# Altium PCB Magnetic-Sequencer.PcbDoc (part 3 of 3)
Units mm, origin at the board's own origin, x right, y up, seen from the top; angles counter-clockwise.
Board outline 395 x 395 mm, 2 copper layers (Top Layer, Bottom Layer), stack 1.569 mm thick; 301 components, 112 nets, 1084 pads, 626 vias.
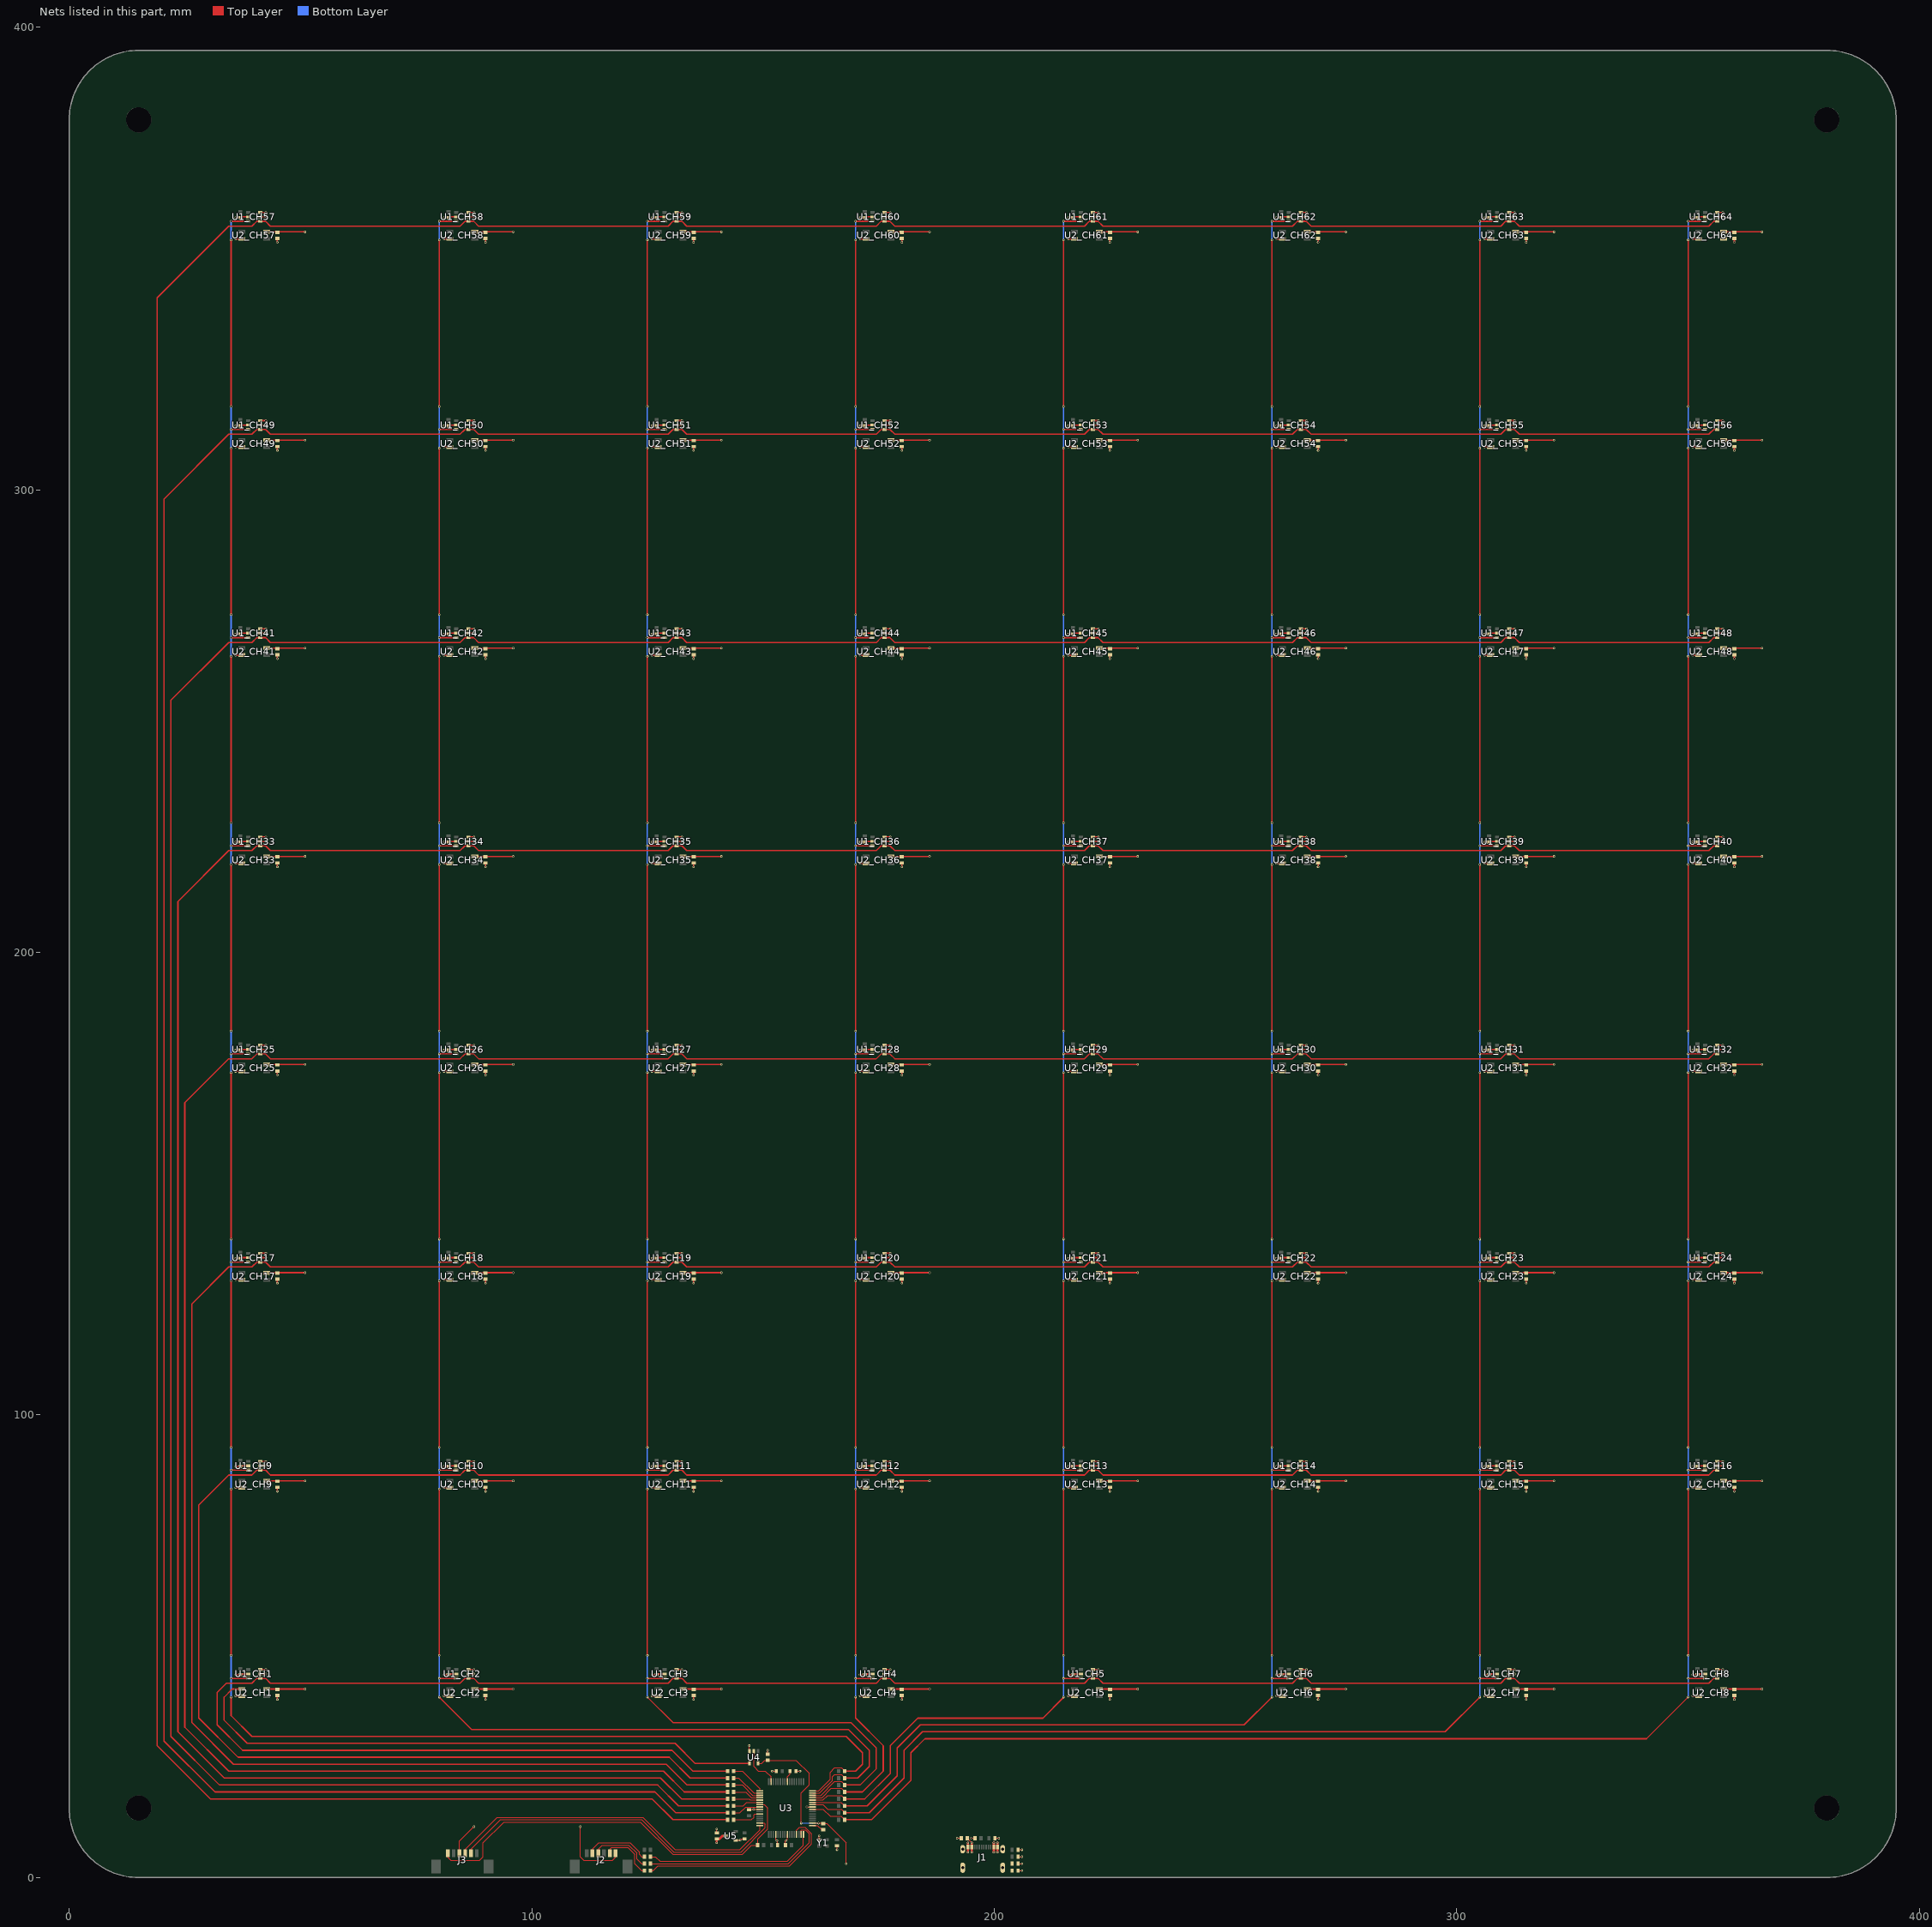
[diagram p3: the nets of this part, all layers, seen from the top]

## Via types
v1: diameter 0.5, hole 0.3, Top Layer to Bottom Layer, tented both sides, 626 vias

## Nets (pads, with @x,y where several pads share a name; then routed paths per layer and width w, separated by ;. In a path a pad name is that pad's centre, name@x,y a point inside that pad or via, vN(x,y) a via of type N, cw(c..) or ccw(c..) an arc to the next point about the centre after c; other vN are vias at no path point) (continued)
GND: "J1.A1 B12" "J1.B1 A12" C1_CH1.1 C1_CH2.1 C1_CH3.1 C1_CH4.1 C1_CH5.1 C1_CH6.1 C1_CH7.1 C1_CH8.1 C1_CH9.1 C1_CH10.1 C1_CH11.1 C1_CH12.1 C1_CH13.1 C1_CH14.1 C1_CH15.1 C1_CH16.1 C1_CH17.1 C1_CH18.1 C1_CH19.1 C1_CH20.1 C1_CH21.1 C1_CH22.1 C1_CH23.1 C1_CH24.1 C1_CH25.1 C1_CH26.1 C1_CH27.1 C1_CH28.1 C1_CH29.1 C1_CH30.1 C1_CH31.1 C1_CH32.1 C1_CH33.1 C1_CH34.1 C1_CH35.1 C1_CH36.1 C1_CH37.1 C1_CH38.1 C1_CH39.1 C1_CH40.1 C1_CH41.1 C1_CH42.1 C1_CH43.1 C1_CH44.1 C1_CH45.1 C1_CH46.1 C1_CH47.1 C1_CH48.1 C1_CH49.1 C1_CH50.1 C1_CH51.1 C1_CH52.1 C1_CH53.1 C1_CH54.1 C1_CH55.1 C1_CH56.1 C1_CH57.1 C1_CH58.1 C1_CH59.1 C1_CH60.1 C1_CH61.1 C1_CH62.1 C1_CH63.1 C1_CH64.1 C2_CH1.1 C2_CH2.1 C2_CH3.1 C2_CH4.1 C2_CH5.1 C2_CH6.1 C2_CH7.1 C2_CH8.1 C2_CH9.1 C2_CH10.1 C2_CH11.1 C2_CH12.1 C2_CH13.1 C2_CH14.1 C2_CH15.1 C2_CH16.1 C2_CH17.1 C2_CH18.1 C2_CH19.1 C2_CH20.1 C2_CH21.1 C2_CH22.1 C2_CH23.1 C2_CH24.1 C2_CH25.1 C2_CH26.1 C2_CH27.1 C2_CH28.1 C2_CH29.1 C2_CH30.1 C2_CH31.1 C2_CH32.1 C2_CH33.1 C2_CH34.1 C2_CH35.1 C2_CH36.1 C2_CH37.1 C2_CH38.1 C2_CH39.1 C2_CH40.1 C2_CH41.1 C2_CH42.1 C2_CH43.1 C2_CH44.1 C2_CH45.1 C2_CH46.1 C2_CH47.1 C2_CH48.1 C2_CH49.1 C2_CH50.1 C2_CH51.1 C2_CH52.1 C2_CH53.1 C2_CH54.1 C2_CH55.1 C2_CH56.1 C2_CH57.1 C2_CH58.1 C2_CH59.1 C2_CH60.1 C2_CH61.1 C2_CH62.1 C2_CH63.1 C2_CH64.1 C3.2 C4.1 C5.1 C6.1 C7.1 C8.2 C9.1 C10.1 C11.1 C12.1 D1.2 D2.2 D3.2 J2.6 J3.3 R19.1 R20.1 R21.2 U1_CH1.2 U1_CH1.3 U1_CH1.5 U1_CH2.2 U1_CH2.3 U1_CH2.5 U1_CH3.2 U1_CH3.3 U1_CH3.5 U1_CH4.2 U1_CH4.3 U1_CH4.5 U1_CH5.2 U1_CH5.3 U1_CH5.5 U1_CH6.2 U1_CH6.3 U1_CH6.5 U1_CH7.2 U1_CH7.3 U1_CH7.5 U1_CH8.2 U1_CH8.3 U1_CH8.5 U1_CH9.2 U1_CH9.3 U1_CH9.5 U1_CH10.2 U1_CH10.3 U1_CH10.5 U1_CH11.2 U1_CH11.3 U1_CH11.5 U1_CH12.2 U1_CH12.3 U1_CH12.5 U1_CH13.2 U1_CH13.3 U1_CH13.5 U1_CH14.2 U1_CH14.3 U1_CH14.5 U1_CH15.2 U1_CH15.3 U1_CH15.5 U1_CH16.2 U1_CH16.3 U1_CH16.5 U1_CH17.2 U1_CH17.3 U1_CH17.5 U1_CH18.2 U1_CH18.3 U1_CH18.5 U1_CH19.2 U1_CH19.3 U1_CH19.5 U1_CH20.2 U1_CH20.3 U1_CH20.5 U1_CH21.2 U1_CH21.3 U1_CH21.5 U1_CH22.2 U1_CH22.3 U1_CH22.5 U1_CH23.2 U1_CH23.3 U1_CH23.5 U1_CH24.2 U1_CH24.3 U1_CH24.5 U1_CH25.2 U1_CH25.3 U1_CH25.5 U1_CH26.2 U1_CH26.3 U1_CH26.5 U1_CH27.2 U1_CH27.3 U1_CH27.5 U1_CH28.2 U1_CH28.3 U1_CH28.5 U1_CH29.2 U1_CH29.3 U1_CH29.5 U1_CH30.2 U1_CH30.3 U1_CH30.5 U1_CH31.2 U1_CH31.3 U1_CH31.5 U1_CH32.2 U1_CH32.3 U1_CH32.5 U1_CH33.2 U1_CH33.3 U1_CH33.5 U1_CH34.2 U1_CH34.3 U1_CH34.5 U1_CH35.2 U1_CH35.3 U1_CH35.5 U1_CH36.2 U1_CH36.3 U1_CH36.5 U1_CH37.2 U1_CH37.3 U1_CH37.5 U1_CH38.2 U1_CH38.3 U1_CH38.5 U1_CH39.2 U1_CH39.3 U1_CH39.5 U1_CH40.2 U1_CH40.3 U1_CH40.5 U1_CH41.2 U1_CH41.3 U1_CH41.5 U1_CH42.2 U1_CH42.3 U1_CH42.5 U1_CH43.2 U1_CH43.3 U1_CH43.5 U1_CH44.2 U1_CH44.3 U1_CH44.5 U1_CH45.2 U1_CH45.3 U1_CH45.5 U1_CH46.2 U1_CH46.3 U1_CH46.5 U1_CH47.2 U1_CH47.3 U1_CH47.5 U1_CH48.2 U1_CH48.3 U1_CH48.5 U1_CH49.2 U1_CH49.3 U1_CH49.5 U1_CH50.2 U1_CH50.3 U1_CH50.5 U1_CH51.2 U1_CH51.3 U1_CH51.5 U1_CH52.2 U1_CH52.3 U1_CH52.5 U1_CH53.2 U1_CH53.3 U1_CH53.5 U1_CH54.2 U1_CH54.3 U1_CH54.5 U1_CH55.2 U1_CH55.3 U1_CH55.5 U1_CH56.2 U1_CH56.3 U1_CH56.5 U1_CH57.2 U1_CH57.3 U1_CH57.5 U1_CH58.2 U1_CH58.3 U1_CH58.5 U1_CH59.2 U1_CH59.3 U1_CH59.5 U1_CH60.2 U1_CH60.3 U1_CH60.5 U1_CH61.2 U1_CH61.3 U1_CH61.5 U1_CH62.2 U1_CH62.3 U1_CH62.5 U1_CH63.2 U1_CH63.3 U1_CH63.5 U1_CH64.2 U1_CH64.3 U1_CH64.5 U2_CH1.3 U2_CH2.3 U2_CH3.3 U2_CH4.3 U2_CH5.3 U2_CH6.3 U2_CH7.3 U2_CH8.3 U2_CH9.3 U2_CH10.3 U2_CH11.3 U2_CH12.3 U2_CH13.3 U2_CH14.3 U2_CH15.3 U2_CH16.3 U2_CH17.3 U2_CH18.3 U2_CH19.3 U2_CH20.3 U2_CH21.3 U2_CH22.3 U2_CH23.3 U2_CH24.3 U2_CH25.3 U2_CH26.3 U2_CH27.3 U2_CH28.3 U2_CH29.3 U2_CH30.3 U2_CH31.3 U2_CH32.3 U2_CH33.3 U2_CH34.3 U2_CH35.3 U2_CH36.3 U2_CH37.3 U2_CH38.3 U2_CH39.3 U2_CH40.3 U2_CH41.3 U2_CH42.3 U2_CH43.3 U2_CH44.3 U2_CH45.3 U2_CH46.3 U2_CH47.3 U2_CH48.3 U2_CH49.3 U2_CH50.3 U2_CH51.3 U2_CH52.3 U2_CH53.3 U2_CH54.3 U2_CH55.3 U2_CH56.3 U2_CH57.3 U2_CH58.3 U2_CH59.3 U2_CH60.3 U2_CH61.3 U2_CH62.3 U2_CH63.3 U2_CH64.3 U3.9 U3.20 U3.25 U3.41 U4.3 U5.1 Y1.2 | length 517.5
  Top Layer w0.15: J3.3@84.5,5.379 J3.3@84.375,5.254 84.375,7.875 v1(87.5,11) ; v1(110.5,11) 110.5,4.5 111.25,3.75 117.5,3.75 118.125,4.375 J2.6@118.125,5.254 ; C12.1@140,9.65 v1(140,10.5) ; U5.1@144.1,8.05 v1(145.05,8.05) 145.35,8.35 C11.1@146,8.35 ; C3.2@147,14.65 147.1,14.75 U3.9@149.3,14.75 ; U4.3@147.05,27.3 v1(147.05,28.5) ; C9.1@151,26.65 v1(151,27.5) ; v1(152,23) C5.1@152.85,23 ; U3.20@152.75,9.3 152.75,8.25 v1(153,8) 153.15,7.85 C6.1@153.15,7 ; C8.2@154.85,7 154.85,7.85 155.25,8.25 U3.25@155.25,9.3 ; C4.1@157.15,23 v1(158,23) ; v1(159.5,15.25) U3.41@160.7,15.25 ; Y1.2@162.135,8.165 v1(162.135,9) ; v1(166,6) C7.1@166,6.85 ; v1(192,8.5) D3.2@192.85,8.5 ; v1(195,8.5) D1.2@195.85,8.5 ; D2.2@200.15,8.5 v1(201,8.5) ; R21.2@205.15,1.5 v1(206,1.5) ; C10.1@205.15,3 v1(206,3) ; R20.1@205.15,4.5 v1(206,4.5) ; R19.1@205.15,6 v1(206,6)
  Top Layer w0.3: v1(36,39.25) U2_CH1.3@37.3,39.25 ; v1(36,43.85) C1_CH1.1@37,43.85 37.15,44 U1_CH1.5@38.7,44 ; v1(36,84.25) U2_CH9.3@37.3,84.25 ; v1(36,88.85) C1_CH9.1@37,88.85 37.15,89 U1_CH9.5@38.7,89 ; v1(36,129.25) U2_CH17.3@37.3,129.25 ; v1(36,133.85) C1_CH17.1@37,133.85 37.15,134 U1_CH17.5@38.7,134 ; v1(36,174.25) U2_CH25.3@37.3,174.25 ; v1(36,178.85) C1_CH25.1@37,178.85 37.15,179 U1_CH25.5@38.7,179 ; v1(36,219.25) U2_CH33.3@37.3,219.25 ; v1(36,223.85) C1_CH33.1@37,223.85 37.15,224 U1_CH33.5@38.7,224 ; v1(36,264.25) U2_CH41.3@37.3,264.25 ; v1(36,268.85) C1_CH41.1@37,268.85 37.15,269 U1_CH41.5@38.7,269 ; v1(36,309.25) U2_CH49.3@37.3,309.25 ; v1(36,313.85) C1_CH49.1@37,313.85 37.15,314 U1_CH49.5@38.7,314 ; v1(36,354.25) U2_CH57.3@37.3,354.25 ; v1(36,358.85) C1_CH57.1@37,358.85 37.15,359 U1_CH57.5@38.7,359 ; U1_CH1.2@41.3,44 v1(42.5,44) ; U1_CH1.3@41.3,44.95 v1(42.5,44.95) ; U1_CH9.2@41.3,89 v1(42.5,89) ; U1_CH9.3@41.3,89.95 v1(42.5,89.95) ; U1_CH17.2@41.3,134 v1(42.5,134) ; U1_CH17.3@41.3,134.95 v1(42.5,134.95) ; U1_CH25.2@41.3,179 v1(42.5,179) ; U1_CH25.3@41.3,179.95 v1(42.5,179.95) ; U1_CH33.2@41.3,224 v1(42.5,224) ; U1_CH33.3@41.3,224.95 v1(42.5,224.95) ; U1_CH41.2@41.3,269 v1(42.5,269) ; U1_CH41.3@41.3,269.95 v1(42.5,269.95) ; U1_CH49.2@41.3,314 v1(42.5,314) ; U1_CH49.3@41.3,314.95 v1(42.5,314.95) ; U1_CH57.2@41.3,359 v1(42.5,359) ; U1_CH57.3@41.3,359.95 v1(42.5,359.95) ; v1(45,38.5) C2_CH1.1@45,39.35 ; v1(45,83.5) C2_CH9.1@45,84.35 ; v1(45,128.5) C2_CH17.1@45,129.35 ; v1(45,173.5) C2_CH25.1@45,174.35 ; v1(45,218.5) C2_CH33.1@45,219.35 ; v1(45,263.5) C2_CH41.1@45,264.35 ; v1(45,308.5) C2_CH49.1@45,309.35 ; v1(45,353.5) C2_CH57.1@45,354.35 ; v1(81,39.25) U2_CH2.3@82.3,39.25 ; v1(81,43.85) C1_CH2.1@82,43.85 82.15,44 U1_CH2.5@83.7,44 ; v1(81,84.25) U2_CH10.3@82.3,84.25 ; v1(81,88.85) C1_CH10.1@82,88.85 82.15,89 U1_CH10.5@83.7,89 ; v1(81,129.25) U2_CH18.3@82.3,129.25 ; v1(81,133.85) C1_CH18.1@82,133.85 82.15,134 U1_CH18.5@83.7,134 ; v1(81,174.25) U2_CH26.3@82.3,174.25 ; v1(81,178.85) C1_CH26.1@82,178.85 82.15,179 U1_CH26.5@83.7,179 ; v1(81,219.25) U2_CH34.3@82.3,219.25 ; v1(81,223.85) C1_CH34.1@82,223.85 82.15,224 U1_CH34.5@83.7,224 ; v1(81,264.25) U2_CH42.3@82.3,264.25 ; v1(81,268.85) C1_CH42.1@82,268.85 82.15,269 U1_CH42.5@83.7,269 ; v1(81,309.25) U2_CH50.3@82.3,309.25 ; v1(81,313.85) C1_CH50.1@82,313.85 82.15,314 U1_CH50.5@83.7,314 ; v1(81,354.25) U2_CH58.3@82.3,354.25 ; v1(81,358.85) C1_CH58.1@82,358.85 82.15,359 U1_CH58.5@83.7,359 ; U1_CH2.2@86.3,44 v1(87.5,44) ; U1_CH2.3@86.3,44.95 v1(87.5,44.95) ; U1_CH10.2@86.3,89 v1(87.5,89) ; U1_CH10.3@86.3,89.95 v1(87.5,89.95) ; U1_CH18.2@86.3,134 v1(87.5,134) ; U1_CH18.3@86.3,134.95 v1(87.5,134.95) ; U1_CH26.2@86.3,179 v1(87.5,179) ; U1_CH26.3@86.3,179.95 v1(87.5,179.95) ; U1_CH34.2@86.3,224 v1(87.5,224) ; U1_CH34.3@86.3,224.95 v1(87.5,224.95) ; U1_CH42.2@86.3,269 v1(87.5,269) ; U1_CH42.3@86.3,269.95 v1(87.5,269.95) ; U1_CH50.2@86.3,314 v1(87.5,314) ; U1_CH50.3@86.3,314.95 v1(87.5,314.95) ; U1_CH58.2@86.3,359 v1(87.5,359) ; U1_CH58.3@86.3,359.95 v1(87.5,359.95) ; v1(90,38.5) C2_CH2.1@90,39.35 ; v1(90,83.5) C2_CH10.1@90,84.35 ; v1(90,128.5) C2_CH18.1@90,129.35 ; v1(90,173.5) C2_CH26.1@90,174.35 ; v1(90,218.5) C2_CH34.1@90,219.35 ; v1(90,263.5) C2_CH42.1@90,264.35 ; v1(90,308.5) C2_CH50.1@90,309.35 ; v1(90,353.5) C2_CH58.1@90,354.35 ; v1(126,39.25) U2_CH3.3@127.3,39.25 ; v1(126,43.85) C1_CH3.1@127,43.85 127.15,44 U1_CH3.5@128.7,44 ; v1(126,84.25) U2_CH11.3@127.3,84.25 ; v1(126,88.85) C1_CH11.1@127,88.85 127.15,89 U1_CH11.5@128.7,89 ; v1(126,129.25) U2_CH19.3@127.3,129.25 ; v1(126,133.85) C1_CH19.1@127,133.85 127.15,134 U1_CH19.5@128.7,134 ; v1(126,174.25) U2_CH27.3@127.3,174.25 ; v1(126,178.85) C1_CH27.1@127,178.85 127.15,179 U1_CH27.5@128.7,179 ; v1(126,219.25) U2_CH35.3@127.3,219.25 ; v1(126,223.85) C1_CH35.1@127,223.85 127.15,224 U1_CH35.5@128.7,224 ; v1(126,264.25) U2_CH43.3@127.3,264.25 ; v1(126,268.85) C1_CH43.1@127,268.85 127.15,269 U1_CH43.5@128.7,269 ; v1(126,309.25) U2_CH51.3@127.3,309.25 ; v1(126,313.85) C1_CH51.1@127,313.85 127.15,314 U1_CH51.5@128.7,314 ; v1(126,354.25) U2_CH59.3@127.3,354.25 ; v1(126,358.85) C1_CH59.1@127,358.85 127.15,359 U1_CH59.5@128.7,359 ; U1_CH3.2@131.3,44 v1(132.5,44) ; U1_CH3.3@131.3,44.95 v1(132.5,44.95) ; U1_CH11.2@131.3,89 v1(132.5,89) ; U1_CH11.3@131.3,89.95 v1(132.5,89.95) ; U1_CH19.2@131.3,134 v1(132.5,134) ; U1_CH19.3@131.3,134.95 v1(132.5,134.95) ; U1_CH27.2@131.3,179 v1(132.5,179) ; U1_CH27.3@131.3,179.95 v1(132.5,179.95) ; U1_CH35.2@131.3,224 v1(132.5,224) ; U1_CH35.3@131.3,224.95 v1(132.5,224.95) ; U1_CH43.2@131.3,269 v1(132.5,269) ; U1_CH43.3@131.3,269.95 v1(132.5,269.95) ; U1_CH51.2@131.3,314 v1(132.5,314) ; U1_CH51.3@131.3,314.95 v1(132.5,314.95) ; U1_CH59.2@131.3,359 v1(132.5,359) ; U1_CH59.3@131.3,359.95 v1(132.5,359.95) ; v1(135,38.5) C2_CH3.1@135,39.35 ; v1(135,83.5) C2_CH11.1@135,84.35 ; v1(135,128.5) C2_CH19.1@135,129.35 ; v1(135,173.5) C2_CH27.1@135,174.35 ; v1(135,218.5) C2_CH35.1@135,219.35 ; v1(135,263.5) C2_CH43.1@135,264.35 ; v1(135,308.5) C2_CH51.1@135,309.35 ; v1(135,353.5) C2_CH59.1@135,354.35 ; v1(171,39.25) U2_CH4.3@172.3,39.25 ; v1(171,43.85) C1_CH4.1@172,43.85 172.15,44 U1_CH4.5@173.7,44 ; v1(171,84.25) U2_CH12.3@172.3,84.25 ; v1(171,88.85) C1_CH12.1@172,88.85 172.15,89 U1_CH12.5@173.7,89 ; v1(171,129.25) U2_CH20.3@172.3,129.25 ; v1(171,133.85) C1_CH20.1@172,133.85 172.15,134 U1_CH20.5@173.7,134 ; v1(171,174.25) U2_CH28.3@172.3,174.25 ; v1(171,178.85) C1_CH28.1@172,178.85 172.15,179 U1_CH28.5@173.7,179 ; v1(171,219.25) U2_CH36.3@172.3,219.25 ; v1(171,223.85) C1_CH36.1@172,223.85 172.15,224 U1_CH36.5@173.7,224 ; v1(171,264.25) U2_CH44.3@172.3,264.25 ; v1(171,268.85) C1_CH44.1@172,268.85 172.15,269 U1_CH44.5@173.7,269 ; v1(171,309.25) U2_CH52.3@172.3,309.25 ; v1(171,313.85) C1_CH52.1@172,313.85 172.15,314 U1_CH52.5@173.7,314 ; v1(171,354.25) U2_CH60.3@172.3,354.25 ; v1(171,358.85) C1_CH60.1@172,358.85 172.15,359 U1_CH60.5@173.7,359 ; U1_CH4.2@176.3,44 v1(177.5,44) ; U1_CH4.3@176.3,44.95 v1(177.5,44.95) ; U1_CH12.2@176.3,89 v1(177.5,89) ; U1_CH12.3@176.3,89.95 v1(177.5,89.95) ; U1_CH20.2@176.3,134 v1(177.5,134) ; U1_CH20.3@176.3,134.95 v1(177.5,134.95) ; U1_CH28.2@176.3,179 v1(177.5,179) ; U1_CH28.3@176.3,179.95 v1(177.5,179.95) ; U1_CH36.2@176.3,224 v1(177.5,224) ; U1_CH36.3@176.3,224.95 v1(177.5,224.95) ; U1_CH44.2@176.3,269 v1(177.5,269) ; U1_CH44.3@176.3,269.95 v1(177.5,269.95) ; U1_CH52.2@176.3,314 v1(177.5,314) ; U1_CH52.3@176.3,314.95 v1(177.5,314.95) ; U1_CH60.2@176.3,359 v1(177.5,359) ; U1_CH60.3@176.3,359.95 v1(177.5,359.95) ; v1(180,38.5) C2_CH4.1@180,39.35 ; v1(180,83.5) C2_CH12.1@180,84.35 ; v1(180,128.5) C2_CH20.1@180,129.35 ; v1(180,173.5) C2_CH28.1@180,174.35 ; v1(180,218.5) C2_CH36.1@180,219.35 ; v1(180,263.5) C2_CH44.1@180,264.35 ; v1(180,308.5) C2_CH52.1@180,309.35 ; v1(180,353.5) C2_CH60.1@180,354.35 ; v1(216,39.25) U2_CH5.3@217.3,39.25 ; v1(216,43.85) C1_CH5.1@217,43.85 217.15,44 U1_CH5.5@218.7,44 ; v1(216,84.25) U2_CH13.3@217.3,84.25 ; v1(216,88.85) C1_CH13.1@217,88.85 217.15,89 U1_CH13.5@218.7,89 ; v1(216,129.25) U2_CH21.3@217.3,129.25 ; v1(216,133.85) C1_CH21.1@217,133.85 217.15,134 U1_CH21.5@218.7,134 ; v1(216,174.25) U2_CH29.3@217.3,174.25 ; v1(216,178.85) C1_CH29.1@217,178.85 217.15,179 U1_CH29.5@218.7,179 ; v1(216,219.25) U2_CH37.3@217.3,219.25 ; v1(216,223.85) C1_CH37.1@217,223.85 217.15,224 U1_CH37.5@218.7,224 ; v1(216,264.25) U2_CH45.3@217.3,264.25 ; v1(216,268.85) C1_CH45.1@217,268.85 217.15,269 U1_CH45.5@218.7,269 ; v1(216,309.25) U2_CH53.3@217.3,309.25 ; v1(216,313.85) C1_CH53.1@217,313.85 217.15,314 U1_CH53.5@218.7,314 ; v1(216,354.25) U2_CH61.3@217.3,354.25 ; v1(216,358.85) C1_CH61.1@217,358.85 217.15,359 U1_CH61.5@218.7,359 ; U1_CH5.2@221.3,44 v1(222.5,44) ; U1_CH5.3@221.3,44.95 v1(222.5,44.95) ; U1_CH13.2@221.3,89 v1(222.5,89) ; U1_CH13.3@221.3,89.95 v1(222.5,89.95) ; U1_CH21.2@221.3,134 v1(222.5,134) ; U1_CH21.3@221.3,134.95 v1(222.5,134.95) ; U1_CH29.2@221.3,179 v1(222.5,179) ; U1_CH29.3@221.3,179.95 v1(222.5,179.95) ; U1_CH37.2@221.3,224 v1(222.5,224) ; U1_CH37.3@221.3,224.95 v1(222.5,224.95) ; U1_CH45.2@221.3,269 v1(222.5,269) ; U1_CH45.3@221.3,269.95 v1(222.5,269.95) ; U1_CH53.2@221.3,314 v1(222.5,314) ; U1_CH53.3@221.3,314.95 v1(222.5,314.95) ; U1_CH61.2@221.3,359 v1(222.5,359) ; U1_CH61.3@221.3,359.95 v1(222.5,359.95) ; v1(225,38.5) C2_CH5.1@225,39.35 ; v1(225,83.5) C2_CH13.1@225,84.35 ; v1(225,128.5) C2_CH21.1@225,129.35 ; v1(225,173.5) C2_CH29.1@225,174.35 ; v1(225,218.5) C2_CH37.1@225,219.35 ; v1(225,263.5) C2_CH45.1@225,264.35 ; v1(225,308.5) C2_CH53.1@225,309.35 ; v1(225,353.5) C2_CH61.1@225,354.35 ; v1(261,39.25) U2_CH6.3@262.3,39.25 ; v1(261,43.85) C1_CH6.1@262,43.85 262.15,44 U1_CH6.5@263.7,44 ; v1(261,84.25) U2_CH14.3@262.3,84.25 ; v1(261,88.85) C1_CH14.1@262,88.85 262.15,89 U1_CH14.5@263.7,89 ; v1(261,129.25) U2_CH22.3@262.3,129.25 ; v1(261,133.85) C1_CH22.1@262,133.85 262.15,134 U1_CH22.5@263.7,134 ; v1(261,174.25) U2_CH30.3@262.3,174.25 ; v1(261,178.85) C1_CH30.1@262,178.85 262.15,179 U1_CH30.5@263.7,179 ; v1(261,219.25) U2_CH38.3@262.3,219.25 ; v1(261,223.85) C1_CH38.1@262,223.85 262.15,224 U1_CH38.5@263.7,224 ; v1(261,264.25) U2_CH46.3@262.3,264.25 ; v1(261,268.85) C1_CH46.1@262,268.85 262.15,269 U1_CH46.5@263.7,269 ; v1(261,309.25) U2_CH54.3@262.3,309.25 ; v1(261,313.85) C1_CH54.1@262,313.85 262.15,314 U1_CH54.5@263.7,314 ; v1(261,354.25) U2_CH62.3@262.3,354.25 ; v1(261,358.85) C1_CH62.1@262,358.85 262.15,359 U1_CH62.5@263.7,359 ; U1_CH6.2@266.3,44 v1(267.5,44) ; U1_CH6.3@266.3,44.95 v1(267.5,44.95) ; U1_CH14.2@266.3,89 v1(267.5,89) ; U1_CH14.3@266.3,89.95 v1(267.5,89.95) ; U1_CH22.2@266.3,134 v1(267.5,134) ; U1_CH22.3@266.3,134.95 v1(267.5,134.95) ; U1_CH30.2@266.3,179 v1(267.5,179) ; U1_CH30.3@266.3,179.95 v1(267.5,179.95) ; U1_CH38.2@266.3,224 v1(267.5,224) ; U1_CH38.3@266.3,224.95 v1(267.5,224.95) ; U1_CH46.2@266.3,269 v1(267.5,269) ; U1_CH46.3@266.3,269.95 v1(267.5,269.95) ; U1_CH54.2@266.3,314 v1(267.5,314) ; U1_CH54.3@266.3,314.95 v1(267.5,314.95) ; U1_CH62.2@266.3,359 v1(267.5,359) ; U1_CH62.3@266.3,359.95 v1(267.5,359.95) ; v1(270,38.5) C2_CH6.1@270,39.35 ; v1(270,83.5) C2_CH14.1@270,84.35 ; v1(270,128.5) C2_CH22.1@270,129.35 ; v1(270,173.5) C2_CH30.1@270,174.35 ; v1(270,218.5) C2_CH38.1@270,219.35 ; v1(270,263.5) C2_CH46.1@270,264.35 ; v1(270,308.5) C2_CH54.1@270,309.35 ; v1(270,353.5) C2_CH62.1@270,354.35 ; v1(306,39.25) U2_CH7.3@307.3,39.25 ; v1(306,43.85) C1_CH7.1@307,43.85 307.15,44 U1_CH7.5@308.7,44 ; v1(306,84.25) U2_CH15.3@307.3,84.25 ; v1(306,88.85) C1_CH15.1@307,88.85 307.15,89 U1_CH15.5@308.7,89 ; v1(306,129.25) U2_CH23.3@307.3,129.25 ; v1(306,133.85) C1_CH23.1@307,133.85 307.15,134 U1_CH23.5@308.7,134 ; v1(306,174.25) U2_CH31.3@307.3,174.25 ; v1(306,178.85) C1_CH31.1@307,178.85 307.15,179 U1_CH31.5@308.7,179 ; v1(306,219.25) U2_CH39.3@307.3,219.25 ; v1(306,223.85) C1_CH39.1@307,223.85 307.15,224 U1_CH39.5@308.7,224 ; v1(306,264.25) U2_CH47.3@307.3,264.25 ; v1(306,268.85) C1_CH47.1@307,268.85 307.15,269 U1_CH47.5@308.7,269 ; v1(306,309.25) U2_CH55.3@307.3,309.25 ; v1(306,313.85) C1_CH55.1@307,313.85 307.15,314 U1_CH55.5@308.7,314 ; v1(306,354.25) U2_CH63.3@307.3,354.25 ; v1(306,358.85) C1_CH63.1@307,358.85 307.15,359 U1_CH63.5@308.7,359 ; U1_CH7.2@311.3,44 v1(312.5,44) ; U1_CH7.3@311.3,44.95 v1(312.5,44.95) ; U1_CH15.2@311.3,89 v1(312.5,89) ; U1_CH15.3@311.3,89.95 v1(312.5,89.95) ; U1_CH23.2@311.3,134 v1(312.5,134) ; U1_CH23.3@311.3,134.95 v1(312.5,134.95) ; U1_CH31.2@311.3,179 v1(312.5,179) ; U1_CH31.3@311.3,179.95 v1(312.5,179.95) ; U1_CH39.2@311.3,224 v1(312.5,224) ; U1_CH39.3@311.3,224.95 v1(312.5,224.95) ; U1_CH47.2@311.3,269 v1(312.5,269) ; U1_CH47.3@311.3,269.95 v1(312.5,269.95) ; U1_CH55.2@311.3,314 v1(312.5,314) ; U1_CH55.3@311.3,314.95 v1(312.5,314.95) ; U1_CH63.2@311.3,359 v1(312.5,359) ; U1_CH63.3@311.3,359.95 v1(312.5,359.95) ; v1(315,38.5) C2_CH7.1@315,39.35 ; v1(315,83.5) C2_CH15.1@315,84.35 ; v1(315,128.5) C2_CH23.1@315,129.35 ; v1(315,173.5) C2_CH31.1@315,174.35 ; v1(315,218.5) C2_CH39.1@315,219.35 ; v1(315,263.5) C2_CH47.1@315,264.35 ; v1(315,308.5) C2_CH55.1@315,309.35 ; v1(315,353.5) C2_CH63.1@315,354.35 ; v1(351,39.25) U2_CH8.3@352.3,39.25 ; v1(351,43.85) C1_CH8.1@352,43.85 352.15,44 U1_CH8.5@353.7,44 ; v1(351,84.25) U2_CH16.3@352.3,84.25 ; v1(351,88.85) C1_CH16.1@352,88.85 352.15,89 U1_CH16.5@353.7,89 ; v1(351,129.25) U2_CH24.3@352.3,129.25 ; v1(351,133.85) C1_CH24.1@352,133.85 352.15,134 U1_CH24.5@353.7,134 ; v1(351,174.25) U2_CH32.3@352.3,174.25 ; v1(351,178.85) C1_CH32.1@352,178.85 352.15,179 U1_CH32.5@353.7,179 ; v1(351,219.25) U2_CH40.3@352.3,219.25 ; v1(351,223.85) C1_CH40.1@352,223.85 352.15,224 U1_CH40.5@353.7,224 ; v1(351,264.25) U2_CH48.3@352.3,264.25 ; v1(351,268.85) C1_CH48.1@352,268.85 352.15,269 U1_CH48.5@353.7,269 ; v1(351,309.25) U2_CH56.3@352.3,309.25 ; v1(351,313.85) C1_CH56.1@352,313.85 352.15,314 U1_CH56.5@353.7,314 ; v1(351,354.25) U2_CH64.3@352.3,354.25 ; v1(351,358.85) C1_CH64.1@352,358.85 352.15,359 U1_CH64.5@353.7,359 ; U1_CH8.2@356.3,44 v1(357.5,44) ; U1_CH8.3@356.3,44.95 v1(357.5,44.95) ; U1_CH16.2@356.3,89 v1(357.5,89) ; U1_CH16.3@356.3,89.95 v1(357.5,89.95) ; U1_CH24.2@356.3,134 v1(357.5,134) ; U1_CH24.3@356.3,134.95 v1(357.5,134.95) ; U1_CH32.2@356.3,179 v1(357.5,179) ; U1_CH32.3@356.3,179.95 v1(357.5,179.95) ; U1_CH40.2@356.3,224 v1(357.5,224) ; U1_CH40.3@356.3,224.95 v1(357.5,224.95) ; U1_CH48.2@356.3,269 v1(357.5,269) ; U1_CH48.3@356.3,269.95 v1(357.5,269.95) ; U1_CH56.2@356.3,314 v1(357.5,314) ; U1_CH56.3@356.3,314.95 v1(357.5,314.95) ; U1_CH64.2@356.3,359 v1(357.5,359) ; U1_CH64.3@356.3,359.95 v1(357.5,359.95) ; v1(360,38.5) C2_CH8.1@360,39.35 ; v1(360,83.5) C2_CH16.1@360,84.35 ; v1(360,128.5) C2_CH24.1@360,129.35 ; v1(360,173.5) C2_CH32.1@360,174.35 ; v1(360,218.5) C2_CH40.1@360,219.35 ; v1(360,263.5) C2_CH48.1@360,264.35 ; v1(360,308.5) C2_CH56.1@360,309.35 ; v1(360,353.5) C2_CH64.1@360,354.35
  Top Layer w0.5: v1(194.3,5.5) 194.3,6.625 v1(194.3,7.5) ; v1(200.7,5.5) 200.7,6.625 v1(200.7,7.5)